# Altium PCB unextended_ISO.PcbDoc (part 1 of 2)
Units mm, origin at the board's own origin, x right, y up, seen from the top; angles counter-clockwise.
Board outline 284.7 x 94.2 mm, 2 copper layers (Component Side, Bottom Layer), stack 1.571 mm thick; 179 components, 118 nets, 505 pads, 269 vias.
Unrouted connection lines stored in the file: 6.
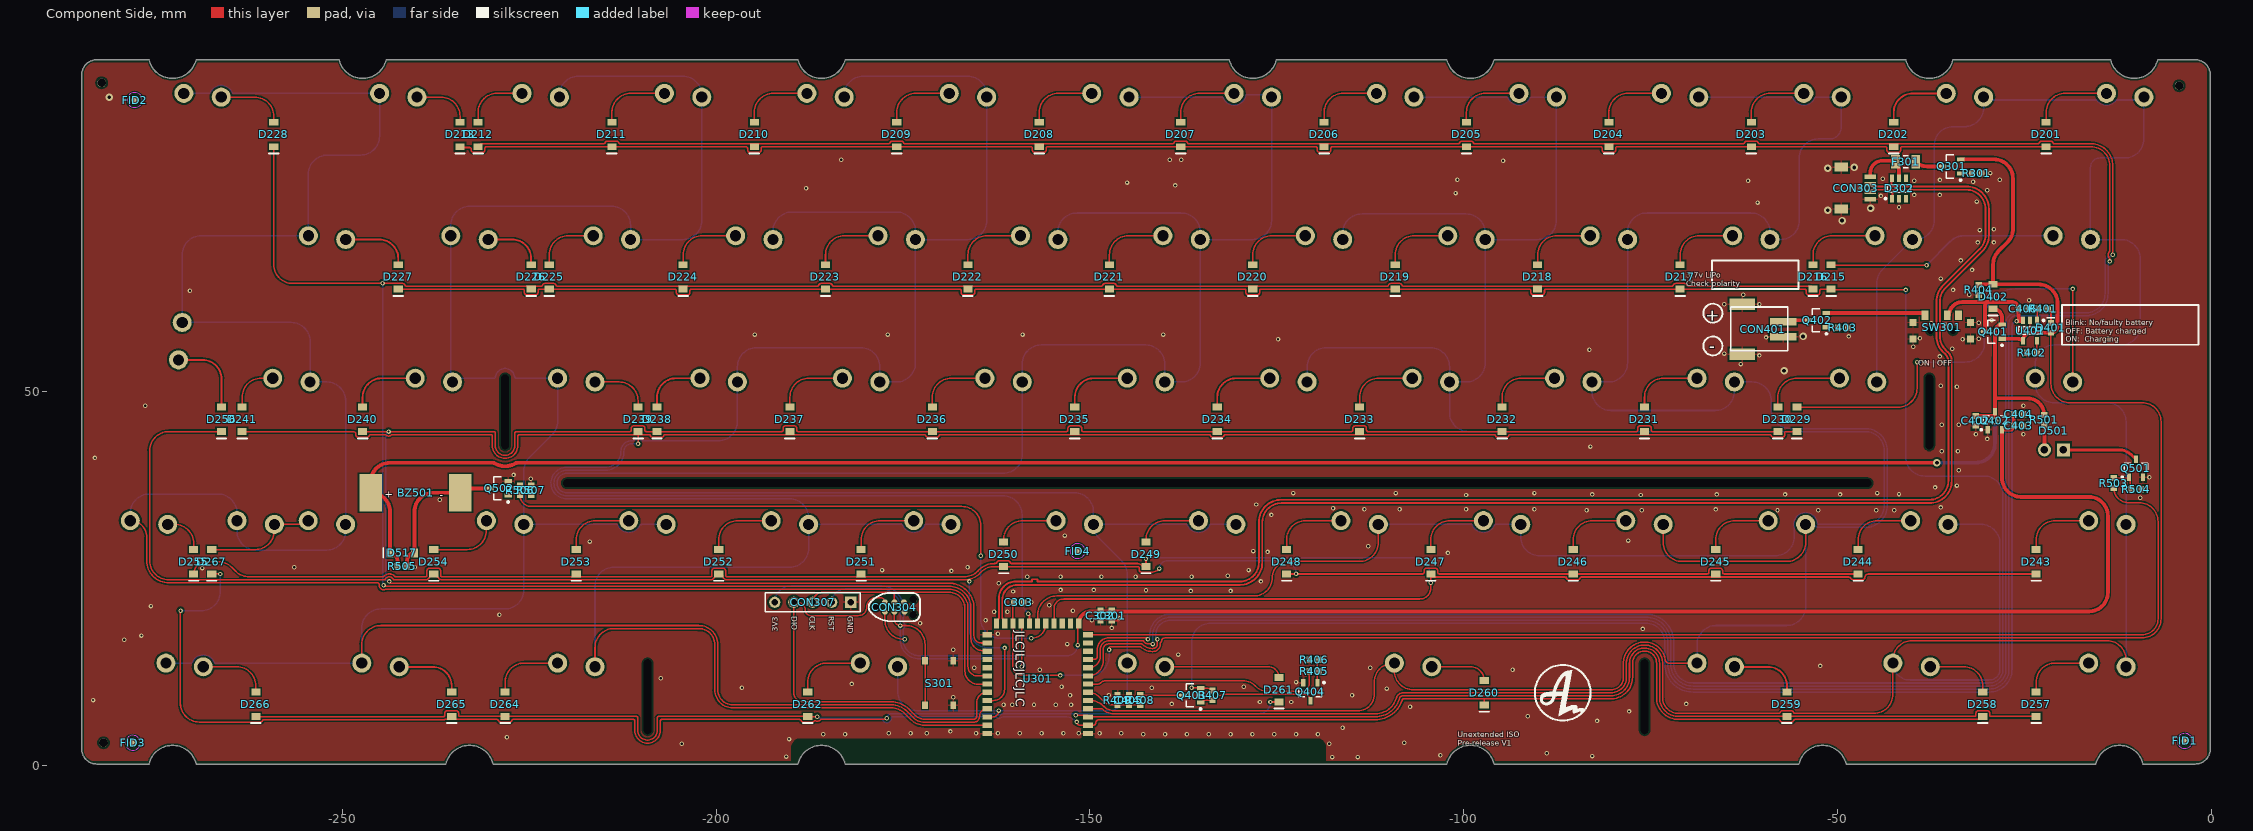
[diagram p0: Component Side view]
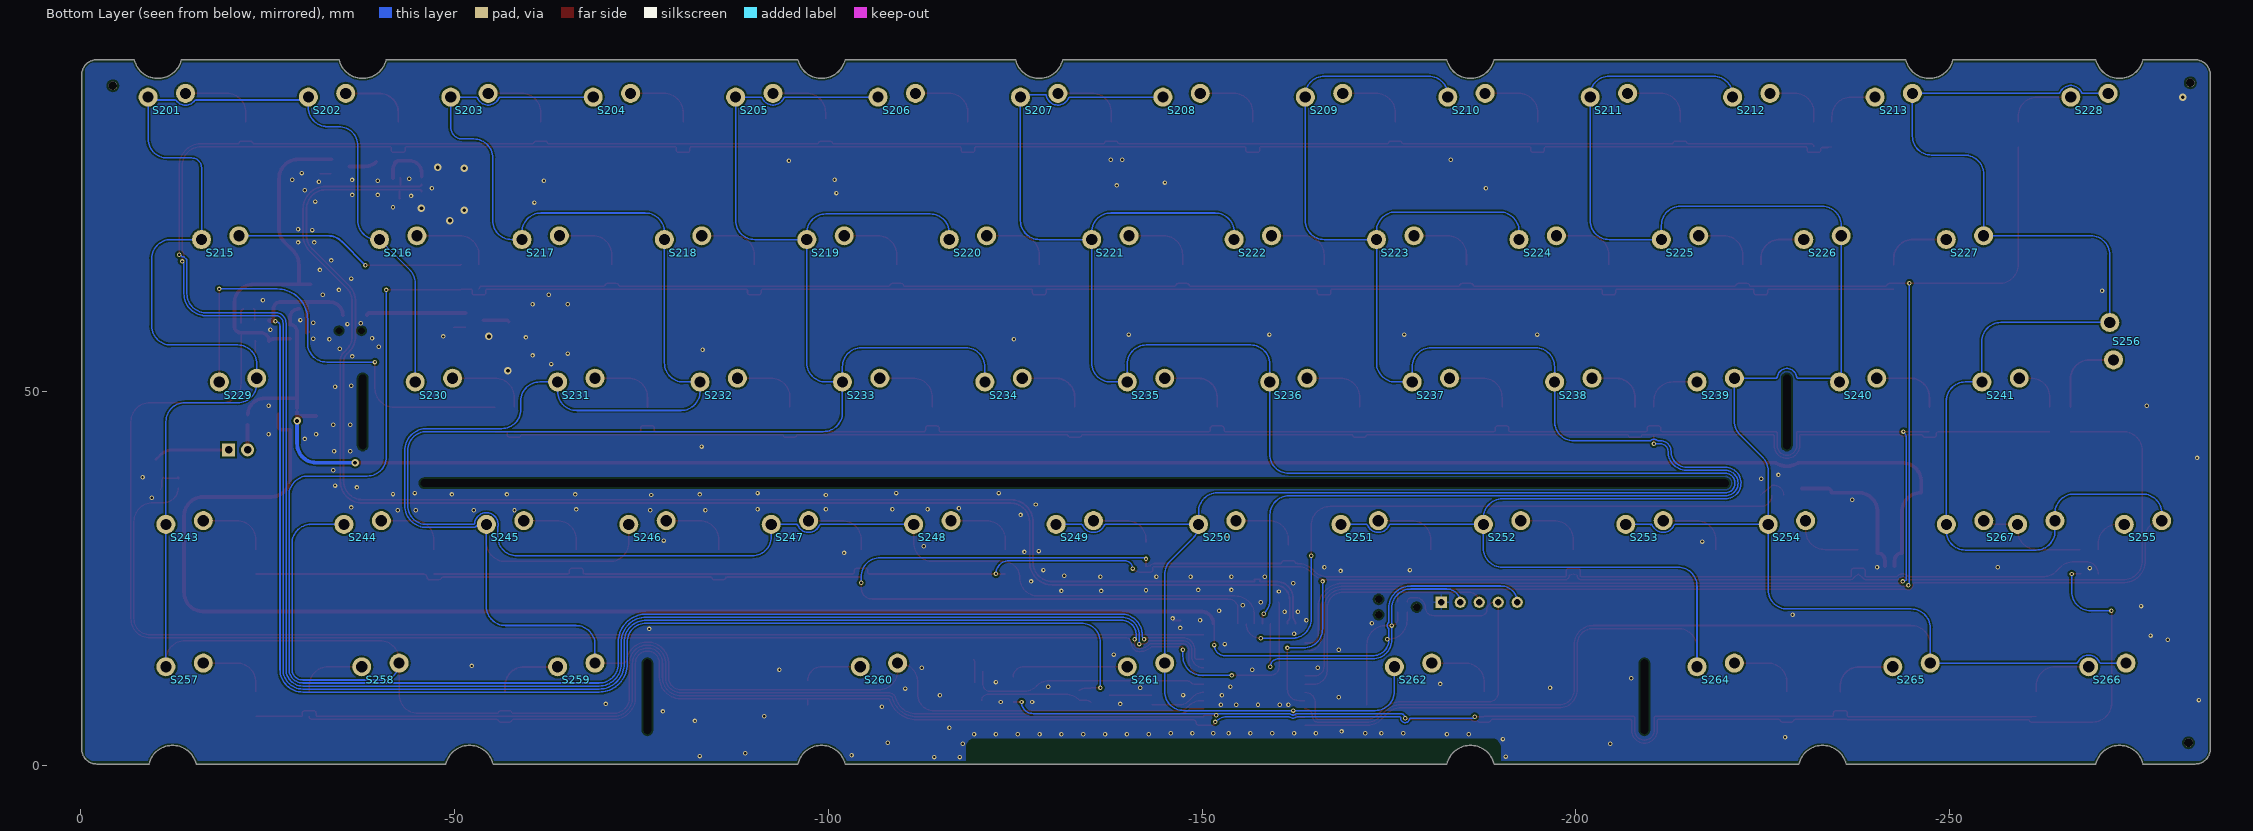
[diagram p1: Bottom Layer view, seen from below]
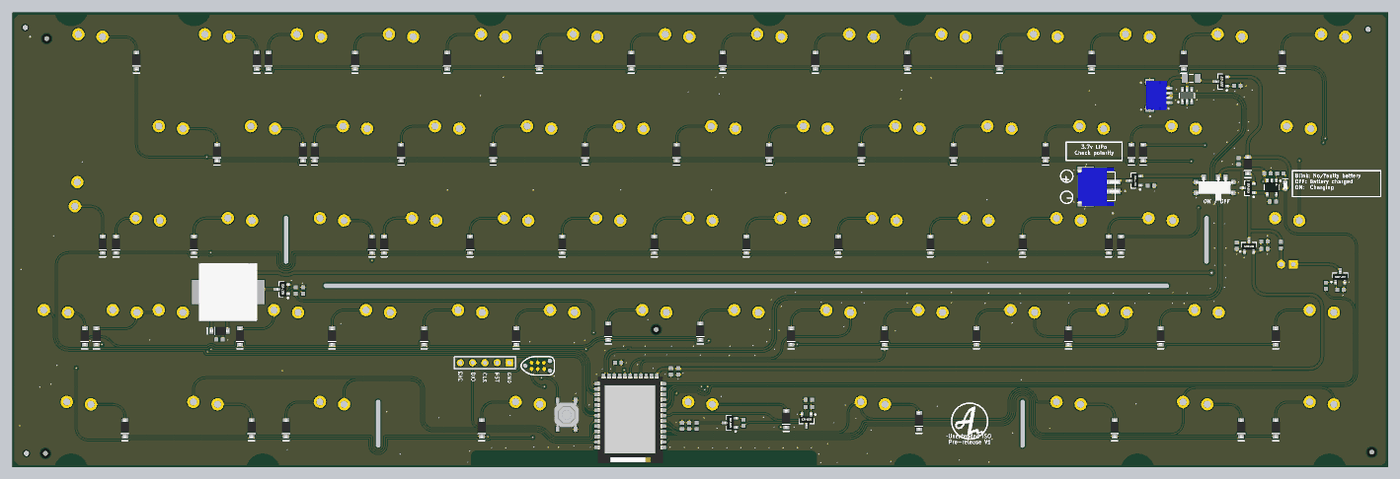
[diagram p3: 3D render of the assembled board from above, using the file's embedded part models]

## Layer stack, top to bottom
Top Solder: solder mask 0.0102, Solder Resist, Dk 3.5
Component Side: signal copper 0.0356
Dielectric 1: core 1.5, FR-4, Dk 4.2
Bottom Layer: signal copper 0.0356
Solder Side: solder mask 0.0102, Solder Resist, Dk 3.5

## Board outline
-282.85,0.215 -275.85,0.215 cw(c-272.7,-0.52) -269.55,0.215 -236.137,0.215 cw(c-232.987,-0.52) -229.838,0.215 -189.05,0.215 cw(c-185.9,-0.52) -182.75,0.215 -102.25,0.215 cw(c-99.1,-0.52) -95.95,0.215 -55.161,0.215 cw(c-52.011,-0.52) -48.861,0.215 -15.45,0.215 cw(c-12.3,-0.52) -9.15,0.215 -2.15,0.215 ccw(c-2.15,2.215) -0.15,2.215 -0.15,92.415 ccw(c-2.15,92.415) -2.15,94.415 -7.177,94.415 cw(c-10.327,95.149) -13.477,94.415 -34.575,94.415 cw(c-37.724,95.149) -40.874,94.415 -95.95,94.415 cw(c-99.1,95.149) -102.25,94.415 -125.061,94.415 cw(c-128.212,95.149) -131.361,94.415 -182.75,94.415 cw(c-185.9,95.149) -189.05,94.415 -244.125,94.415 cw(c-247.274,95.149) -250.424,94.415 -269.55,94.415 cw(c-272.7,95.149) -275.85,94.415 -282.85,94.415 ccw(c-282.85,92.415) -284.85,92.415 -284.85,39.065 -284.85,2.215 ccw(c-282.85,2.215)

## Design rules (kind name [scope] priority, off if disabled: settings)
BoardOutlineClearance [All] p1: gap=0.305 ignorepadtopadclearanceinfootprint=FALSE except(0: Arc-SplitContinuation Track-SplitContinuation SMDPad-SplitContinuation THPad-SplitContinuation Via-SplitContinuation Fill-SplitContinuation Poly-SplitContinuation Region-SplitContinuation Text-SplitContinuation)
Clearance [All] p1: gap=0.2 ignorepadtopadclearanceinfootprint=FALSE except(0: Arc-Hole Track-Hole SMDPad-Hole THPad-Hole Via-Hole Fill-Hole Poly-Hole Region-Hole Text-Hole; 0.254: THPad-THPad THPad-Via THPad-Fill THPad-Poly THPad-Region THPad-Text Via-Via Via-Fill Via-Poly Via-Region Via-Text Fill-Fill Fill-Poly Fill-Region Fill-Text Poly-Poly Poly-Region Poly-Text Region-Region Region-Text Text-Text)
ComponentClearance [InComponent('No Component') And OnLayer('Component Side')] p1: gap=0.254 collisioncheckmode=3 verticalgap=0.254 showdistances=FALSE
DiffPairsRouting DiffPairsRouting_USB [InDifferentialPairClass('All Differential Pairs')] p1: maxlimit=0.254 minlimit=0.203 mostfreqgap=0.203 toplayer_minwidth=0.152 toplayer_maxwidth=0.381 toplayer_prefwidth=0.152 bottomlayer_minwidth=0.152 bottomlayer_maxwidth=0.381 bottomlayer_prefwidth=0.152 maxuncoupledlength=12.7
DiffPairsRouting [All] p2: maxlimit=0.254 minlimit=0.254 mostfreqgap=0.254 toplayer_minwidth=0.381 toplayer_maxwidth=0.381 toplayer_prefwidth=0.381 bottomlayer_minwidth=0.381 bottomlayer_maxwidth=0.381 bottomlayer_prefwidth=0.381 maxuncoupledlength=12.7
HoleSize [All] p1: absolutevalues=TRUE maxlimit=20 minlimit=0.025 maxpercent=80.000 minpercent=20.000
MatchedLengths MatchedLengths_USB_DiffPairs_1 [All] p1: tolerance=0.127 checknetsindiffpair=TRUE checkdiffpairvsdiffpair=FALSE checkxsignals=FALSE checkothers=FALSE
MatchedLengths MatchedLengths_USB_DiffPairs [All] p2: tolerance=0.127 checknetsindiffpair=TRUE checkdiffpairvsdiffpair=FALSE checkxsignals=FALSE checkothers=FALSE
PolygonConnect PolygonConnect_1 [All vs IsVia] p1: connectstyle=Direct reliefconductorwidth=0.254 reliefentries=4 polygonreliefangle="90 Angle" airgapwidth=0.254
PolygonConnect [All] p2: connectstyle=Relief reliefconductorwidth=0.254 reliefentries=4 polygonreliefangle="90 Angle" airgapwidth=0.254
RoutingVias [All] p1: holewidth=0.711 width=1.27 viastyle="Through Hole" minholewidth=0.3 minwidth=0.6 maxholewidth=0.711 maxwidth=1.27
SolderMaskExpansion [All] p1: expansion=0.102 istentingtop=FALSE
Width [All] p1: maxlimit=1.016 minlimit=0.203 preferedwidth=0.203
27 further rules are at their usual default settings.

## Classes and differential pairs
component class Designator: 2 C201 C202 C203 C204 C205 C206 D201 D202 D203 D204 D205 D206 D207 D208 D209 D210 D211 D212 D213 D215 D216 D217 D218 D219 D220 D221 D222 D223 D224 D225 D226 D227 D228 D229 D230 D231 D232 D233 D234 D235 D236 D237 D238 D239 D240 D241 D243 D244 D245 D246 D247 D248 D249 D250 D251 D252 D253 D254 D255 D256 D257 D258 D259 D260 D261 D262 D264 D265 D266 D267 S201 S202 S203 S204 S205 S206 S207 S208 S209 S210 S211 S212 S213 S215 S216 S217 S218 S219 S220 S221 S222 S223 S224 S225 S226 S227 S228 S229 S230 S231 S232 S233 S234 S235 S236 S237 S238 S239 S240 S241 S243 S244 S245 S246 S247 S248 S249 S250 S251 S252 S253 S254 S255 S256 S257 S258 S259 S260 S261 S262 S264 S265 S266 S267
differential pair D: +D_P -D_N

## Components (designator, comment, footprint, x,y, rotation, side; value= is the part's Value field where it differs from the comment)
BZ501 "12x12mm buzzer" "buzzer 12x12" -240.2,36.5 r0 top locked
C301 "" C0603[1608] -147.066,20.066 r90 top value=4,7uF
C302 "" C0603[1608] -148.59,20.066 r90 top value=0.1uF
C303 "" C0603[1608] -159.512,21.844 r180 top value=0.1uF
C402 "" C0603[1608] -31.496,46.109 r90 top value=4,7uF
C403 "" C0603[1608] -25.781,45.466 r180 top value=1uF
C404 "" C0603[1608] -25.773,46.99 r180 top value=4,7uF
C405 "DNM" C0603[1608] -144.78,8.763 r270 top
C406 "" C0603[1608] -25.141,61.087 r180 top value=4,7uF
CON303 "Header 5" "JST SM04B-SRSS-TB" -49.5,77.25 r270 top
CON304 "TC2030-IDC" TC2030-IDC-NL -176.149,21.209 r0 top
CON307 "Header 5" HDR1X5 -181.991,21.844 r180 top
CON401 "JST SM02B SMD" "JST S2B-PH-SM4-TB" -62.76,55.015 r90 top
D201 "Diode" SOD-123 -22.098,84.415 r90 top
D202 "Diode" SOD-123 -42.487,84.415 r90 top
D203 "Diode" SOD-123 -61.537,84.415 r90 top
D204 "Diode" SOD-123 -80.587,84.415 r90 top
D205 "Diode" SOD-123 -99.631,84.415 r90 top
D206 "Diode" SOD-123 -118.681,84.415 r90 top
D207 "Diode" SOD-123 -137.858,84.415 r90 top
D208 "Diode" SOD-123 -156.781,84.415 r90 top
D209 "Diode" SOD-123 -175.831,84.415 r90 top
D210 "Diode" SOD-123 -194.887,84.415 r90 top
D211 "Diode" SOD-123 -213.937,84.415 r90 top
D212 "Diode" SOD-123 -231.838,84.415 r90 top
D213 "Diode" SOD-123 -234.251,84.415 r90 top
D215 "Diode" SOD-123 -50.869,65.365 r90 top
D216 "Diode" SOD-123 -53.282,65.365 r90 top
D217 "Diode" SOD-123 -71.062,65.365 r90 top
D218 "Diode" SOD-123 -90.112,65.365 r90 top
D219 "Diode" SOD-123 -109.168,65.365 r90 top
D220 "Diode" SOD-123 -128.218,65.365 r90 top
D221 "Diode" SOD-123 -147.389,65.365 r90 top
D222 "Diode" SOD-123 -166.318,65.365 r90 top
D223 "Diode" SOD-123 -185.368,65.365 r90 top
D224 "Diode" SOD-123 -204.412,65.365 r90 top
D225 "Diode" SOD-123 -222.319,65.365 r90 top
D226 "Diode" SOD-123 -224.732,65.365 r90 top
D227 "Diode" SOD-123 -242.512,65.365 r90 top
D228 "Diode" SOD-123 -259.167,84.415 r90 top
D229 "Diode" SOD-123 -55.447,46.315 r90 top
D230 "Diode" SOD-123 -57.987,46.315 r90 top
D231 "Diode" SOD-123 -75.825,46.315 r90 top
D232 "Diode" SOD-123 -94.875,46.315 r90 top
D233 "Diode" SOD-123 -113.925,46.315 r90 top
D234 "Diode" SOD-123 -132.975,46.315 r90 top
D235 "Diode" SOD-123 -152.025,46.315 r90 top
D236 "Diode" SOD-123 -171.075,46.315 r90 top
D237 "Diode" SOD-123 -190.125,46.315 r90 top
D238 "Diode" SOD-123 -207.899,46.315 r90 top
D239 "Diode" SOD-123 -210.439,46.315 r90 top
D240 "Diode" SOD-123 -247.275,46.315 r90 top
D241 "Diode" SOD-123 -263.398,46.315 r90 top
D243 "Diode" SOD-123 -23.437,27.265 r90 top
D244 "Diode" SOD-123 -47.25,27.265 r90 top
D245 "Diode" SOD-123 -66.3,27.265 r90 top
D246 "Diode" SOD-123 -85.35,27.265 r90 top
D247 "Diode" SOD-123 -104.4,27.265 r90 top
D248 "Diode" SOD-123 -123.698,27.265 r90 top
D249 "Diode" SOD-123 -142.5,28.265 r90 top
D250 "Diode" SOD-123 -161.55,28.265 r90 top
D251 "Diode" SOD-123 -180.6,27.265 r90 top
D252 "Diode" SOD-123 -199.649,27.265 r90 top
D253 "Diode" SOD-123 -218.7,27.265 r90 top
D254 "Diode" SOD-123 -237.768,27.265 r90 top
D255 "Diode" SOD-123 -269.875,27.265 r90 top
D256 "Diode" SOD-123 -266.154,46.315 r90 top
D257 "Diode" SOD-123 -23.437,8.215 r90 top
D258 "Diode" SOD-123 -30.575,8.215 r90 top
D259 "Diode" SOD-123 -56.774,8.215 r90 top
D260 "Diode" SOD-123 -97.255,9.74 r90 top
D261 "Diode" SOD-123 -124.714,10.16 r90 top
D262 "Diode" SOD-123 -187.743,8.215 r90 top
D264 "Diode" SOD-123 -228.224,8.215 r90 top
D265 "Diode" SOD-123 -235.363,8.215 r90 top
D266 "Diode" SOD-123 -261.562,8.215 r90 top
D267 "Diode" SOD-123 -267.462,27.265 r90 top
D302 "SRV05" SOT-23-6 -41.783,77.216 r90 top
D401 "LED0" LED0603[1608] -21.458,58.547 r90 top
D402 "Diode" SOD-123 -29.205,62.738 r90 top
D501 "B5819W" "MX-switch - CAPS - LED NO SWITCH" -21.056,47.315 r0 top
D517 "B5819W" SOD-123 -241.978,28.448 r0 top
F301 "Fuse Thermal" C1206[3216] -40.894,80.772 r180 top
FID1 "Plug" Fiducial_Nordic -3.556,3.302 r90 top
FID2 "Plug" Fiducial_Nordic -277.749,89.027 r90 top
FID3 "Plug" Fiducial_Nordic -278.003,3.048 r90 top
FID4 "Plug" Fiducial_Nordic -151.638,28.702 r90 top
Q301 "PMOS-2" SOT-23-3 -34.745,80.137 r180 top
Q401 "PMOS-2" SOT-23-3 -29.205,58.039 r180 top
Q402 "PMOS-2" SOT-23-3 -52.687,59.585 r180 top
Q403 "SI2301CDS PMOS" SOT-23-3 -136.398,9.398 r180 top
Q404 "2N7002 NMOS" SOT-23-3 -120.523,9.906 r270 top
Q501 "2N7002 NMOS" SOT-23-3 -10.093,39.772 r90 top
Q502 "2N7002 NMOS" SOT-23-3 -229.02,37.084 r180 top
R301 "Res1" R0603[1608] -31.369,79.248 r0 top value=10K
R401 "Res1" R0603[1608] -22.474,61.087 r0 top value=470
R402 "Res1" R0603[1608] -24.003,55.245 r180 top value=5k1
R403 "Res1" R0603[1608] -49.276,58.547 r0 top value=10K
R404 "Res1" R0603[1608] -31.115,63.627 r270 top value=100k
R405 "Res1" R0603[1608] -120.015,12.638 r0 top value=330R
R406 "Res1" R0603[1608] -120.015,14.162 r180 top value=100k
R407 "Res1" R0603[1608] -133.604,9.398 r270 top value=100k
R408 "Res1" R0603[1608] -143.256,8.763 r270 top value=1M
R409 "Res1" R0603[1608] -146.304,8.763 r90 top value=2M
R501 "Res1" R0603[1608] -22.352,46.243 r90 top value=470
R503 "Res1" R0603[1608] -13.071,37.796 r90 top value=470
R504 "Res1" R0603[1608] -10.033,36.957 r0 top value=10K
R505 "Res1" R0603[1608] -241.978,26.67 r0 top value=680R
R506 "Res1" R0603[1608] -226.226,36.83 r270 top value=330R
R507 "Res1" R0603[1608] -224.702,36.83 r90 top value=100k
S201 "MX" "Alps-switch - switched pol" -11.531,85.415 r180 bottom locked
S202 "MX" "Alps-switch - switched pol" -32.962,85.415 r180 bottom locked
S203 "MX" "Alps-switch - switched pol" -52.012,85.415 r180 bottom locked
S204 "MX" "Alps-switch - switched pol" -71.062,85.415 r180 bottom locked
S205 "MX" "Alps-switch - switched pol" -90.112,85.415 r180 bottom locked
S206 "MX" "Alps-switch - switched pol" -109.162,85.415 r180 bottom locked
S207 "MX" "Alps-switch - switched pol" -128.212,85.415 r180 bottom locked
S208 "MX" "Alps-switch - switched pol" -147.262,85.415 r180 bottom locked
S209 "MX" "Alps-switch - switched pol" -166.312,85.415 r180 bottom locked
S210 "MX" "Alps-switch - switched pol" -185.362,85.415 r180 bottom locked
S211 "MX" "Alps-switch - switched pol" -204.412,85.415 r180 bottom locked
S212 "MX" "Alps-switch - switched pol" -223.462,85.415 r180 bottom locked
S213 "MX" Alps-switch -242.512,85.415 r180 bottom locked
S215 "MX" "Alps-switch - switched pol" -18.675,66.365 r180 bottom locked
S216 "MX" "Alps-switch - switched pol" -42.487,66.365 r180 bottom locked
S217 "MX" "Alps-switch - switched pol" -61.537,66.365 r180 bottom locked
S218 "MX" "Alps-switch - switched pol" -80.587,66.365 r180 bottom locked
S219 "MX" "Alps-switch - switched pol" -99.637,66.365 r180 bottom locked
S220 "MX" "Alps-switch - switched pol" -118.687,66.365 r180 bottom locked
S221 "MX" "Alps-switch - switched pol" -137.737,66.365 r180 bottom locked
S222 "MX" "Alps-switch - switched pol" -156.787,66.365 r180 bottom locked
S223 "MX" "Alps-switch - switched pol" -175.837,66.365 r180 bottom locked
S224 "MX" "Alps-switch - switched pol" -194.887,66.365 r180 bottom locked
S225 "MX" "Alps-switch - switched pol" -213.937,66.365 r180 bottom locked
S226 "MX" Alps-switch -232.987,66.365 r180 bottom locked
S227 "MX" Alps-switch -252.037,66.365 r180 bottom locked
S228 "MX" "Alps-switch - switched pol" -268.692,85.415 r180 bottom locked
S229 "MX" Alps-switch -21.056,47.315 r180 bottom locked
S230 "MX" "Alps-switch - switched pol" -47.25,47.315 r180 bottom locked
S231 "MX" "Alps-switch - switched pol" -66.3,47.315 r180 bottom locked
S232 "MX" "Alps-switch - switched pol" -85.35,47.315 r180 bottom locked
S233 "MX" "Alps-switch - switched pol" -104.4,47.315 r180 bottom locked
S234 "MX" "Alps-switch - switched pol" -123.45,47.315 r180 bottom locked
S235 "MX" "Alps-switch - switched pol" -142.5,47.315 r180 bottom locked
S236 "MX" "Alps-switch - switched pol" -161.55,47.315 r180 bottom locked
S237 "MX" "Alps-switch - switched pol" -180.6,47.315 r180 bottom locked
S238 "MX" "Alps-switch - switched pol" -199.65,47.315 r180 bottom locked
S239 "MX" Alps-switch -218.7,47.315 r180 bottom locked
S240 "MX" "Alps-switch - switched pol" -237.75,47.315 r180 bottom locked
S241 "MX" "Alps-switch - switched pol" -256.8,47.315 r180 bottom locked
S243 "MX" "Alps-switch - switched pol" -13.912,28.265 r180 bottom locked
S244 "MX" "Alps-switch - switched pol" -37.725,28.265 r180 bottom locked
S245 "MX" "Alps-switch - switched pol" -56.775,28.265 r180 bottom locked
S246 "MX" "Alps-switch - switched pol" -75.825,28.265 r180 bottom locked
S247 "MX" "Alps-switch - switched pol" -94.875,28.265 r180 bottom locked
S248 "MX" "Alps-switch - switched pol" -113.925,28.265 r180 bottom locked
S249 "MX" "Alps-switch - switched pol" -132.975,28.265 r180 bottom locked
S250 "MX" "Alps-switch - switched pol" -152.025,28.265 r180 bottom locked
S251 "MX" "Alps-switch - switched pol" -171.075,28.265 r180 bottom locked
S252 "MX" "Alps-switch - switched pol" -190.124,28.265 r180 bottom locked
S253 "MX" "Alps-switch - switched pol" -209.175,28.265 r180 bottom locked
S254 "MX" "Alps-switch - switched pol" -228.225,28.265 r180 bottom locked
S255 "MX" Alps-switch -275.85,28.265 r180 bottom locked
S256 "MX" Alps-switch -275.91,56.772 r90 bottom locked
S257 "MX" "Alps-switch - switched pol" -13.912,9.215 r180 bottom locked
S258 "MX" Alps-switch -40.1,9.215 r180 bottom locked
S259 "MX" Alps-switch -66.299,9.215 r180 bottom locked
S260 "MX" Alps-switch -106.78,9.215 r180 bottom locked
S261 "MX" "Alps-switch - switched pol" -142.499,9.215 r180 bottom locked
S262 "MX" "Alps-switch - switched pol" -178.218,9.215 r180 bottom locked
S264 "MX" Alps-switch -218.699,9.215 r180 bottom locked
S265 "MX" Alps-switch -244.888,9.215 r180 bottom locked
S266 "MX" Alps-switch -271.087,9.215 r180 bottom locked
S267 "MX" "ALPS-switch - AEKISO r_shift" -261.58,28.265 r180 bottom locked
S301 "SW-PB" "XKB SWITCH" -170.18,11.049 r270 top
SW301 "Korean Hroparts Elec K3-1296S-E2" "Korean Hroparts Elec K3-1296S-E2" -36.068,58.166 r180 top
U301 "Holyiot-18010" "Holyiot-18010 - outer pads" -157,10 r180 top locked
U401 "TP4054 SOT23-5" SOT-23-5 -24.252,58.174 r270 top
U402 "XC6206P332MR - SOT23" SOT-23-3 -28.956,46.109 r90 top

## Footprints (in the part's own frame and the unit in brackets; to place one, negate y for a bottom-side part, rotate by r counter-clockwise, add the part's x,y. Pads: shape width x height; smd on the part's side, far side on the other; paste and mask are expansions set on the pad)
Alps-switch [mm]
  round 2.54 hole 1.499 mask+0.102: 1(-2.5,4) 2(2.5,4.5)
  round 1 on Mech14: ""(0,0)
"ALPS-switch - AEKISO r_shift" [mm]
  round 2.54 hole 1.499 mask+0.102: 1(-12.025,4) 1(2.5,4.5) 2(-7.025,4.5) 2(-2.5,4)
  round 1 on Mech14: ""(-9.525,0) ""(0,0)
"Alps-switch - switched pol" [mm]
  round 2.54 hole 1.499 mask+0.102: 1(2.5,4.5) 2(-2.5,4)
  round 1 on Mech14: ""(0,0)
"buzzer 12x12" [mm] "Buzzer"
  rect 3x5 smd: 1(-6,0) 2(6,0)
  body extent -6,-6 6,6, height 3.05
C0603[1608] [mm] "Chip Resistor, 2-Leads, Body 1,57x0,80mm, IPC Medium Density"
  rect 0.8x0.85 smd: 1(-0.65,0) 2(0.65,0)
  body extent -0.83,-0.43 0.82,0.43, height 0.5
C1206[3216] [mm]
  rect 1.2x1.8 smd: 1(-1.35,0) 2(1.35,0)
  silkscreen extent -0.35,-0.8 0.35,0.8, body extent -1.6,-0.9 1.6,0.9, height 1.2
Fiducial_Nordic [mm]
  round 1 smd paste+0 mask+0.5: 0(0,0)
  Component Side keep-out circle w0.01: c0,0 r1
HDR1X5 [mm] "Connector; Header; 5 Position"
  rect 1.5x1.5 hole 0.9 mask+0.102: 1(0,0)
  round 1.5 hole 0.9 mask+0.102: 2(2.54,0) 3(5.08,0) 4(7.62,0) 5(10.16,0)
  silkscreen extent -1.27,-1.27 11.43,1.27
"Holyiot-18010 - outer pads" [mm] "Holyiot long range Nordic nRF52840 chipset BLE module Ceramic Antenna Bluetooth low Energy for Bluetooth mesh"
  rect 1.3x0.7 smd: 1(-6.75,5.7) 2(-6.75,4.6) 3(-6.75,3.5) 4(-6.75,2.4) 5(-6.75,1.3) 6(-6.75,0.2) 7(-6.75,-0.9) 8(-6.75,-2) 9(-6.75,-3.1) 10(-6.75,-4.2) 11(-6.75,-5.3) 12(-6.75,-6.4) 13(-6.75,-7.5) 25(6.75,-7.5) 26(6.75,-6.4) 27(6.75,-5.3) 28(6.75,-4.2) 29(6.75,-3.1) 30(6.75,-2) 31(6.75,-0.9) 32(6.75,0.2) 33(6.75,1.3) 34(6.75,2.4) 35(6.75,3.5) 36(6.75,4.6) 37(6.75,5.7)
  rect 0.7x1.3 smd: 14(-5.5,-9) 15(-4.4,-9) 16(-3.3,-9) 17(-2.2,-9) 18(-1.1,-9) 19(0,-9) 20(1.1,-9) 21(2.2,-9) 22(3.3,-9) 23(4.4,-9) 24(5.5,-9)
  body extent -6.75,-9 6.75,9, height 1.92
"JST S2B-PH-SM4-TB" [mm]
  rect 1x3.5 smd: 1(4.35,-5.5) 2(2.35,-5.5)
  rect 1.5x3.4 smd: 3(0,0) 3(6.7,0)
  body extent -0.65,-6.95 7.25,1.65, height 5.5
"JST SM04B-SRSS-TB" [mm]
  rect 0.6x1.55 smd: 1(-1.5,3.875) 2(-0.5,3.875) 3(0.5,3.875) 4(1.5,3.875)
  rect 1.2x1.8 smd: 5(-2.8,0) 5(2.8,0)
  body extent -3.01,-0.76 2.99,4.19, height 3.25
"Korean Hroparts Elec K3-1296S-E2" [mm]
  rect 0.9x1.25 smd: 1(2.25,-2.075) 2(-0.75,-2.075) 3(-2.25,-2.075)
  rect 0.9x0.9 smd: M(-3.85,-1.1) M(-3.85,1.1) M(3.85,-1.1) M(3.85,1.1)
  round 0 hole 0.9 unplated: ""(-1.5,0) ""(1.5,0)
  body extent -3.85,-2.2 3.85,2.7, height 1.45
LED0603[1608] [mm] "Chip Resistor, 2-Leads, Body 1,57x0,80mm, IPC Medium Density"
  rect 0.8x0.85 smd: 1(-0.65,0) 2(0.65,0)
  silkscreen extent 1.37,-0.51 1.37,0.53, body extent -0.77,-0.4 0.83,0.4, height 0.8
"MX-switch - CAPS - LED NO SWITCH" [mm] "MX Spec"
  round 1.75 hole 1 mask+0.102: 1(-1.27,-5.08)
  rect 1.75x1.75 hole 1 mask+0.102: 2(1.27,-5.08)
  round 1 on Mech13: ""(0,0)
R0603[1608] [mm] "Chip Resistor, 2-Leads, Body 1,57x0,80mm, IPC Medium Density"
  rect 0.8x0.85 smd: 1(-0.65,0) 2(0.65,0)
  body extent -0.83,-0.43 0.82,0.43, height 0.5
SOD-123 [mm]
  rect 0.91x1.22 smd: 1(1.635,0) 2(-1.635,0)
  silkscreen extent -2.54,-0.64 -2.54,0.63, body extent -1.87,-0.85 1.88,0.85, height 1.2
SOT-23-3 [mm] "3.3v regulator, used in Windsond S2 proto 1"
  rect 1x0.55 smd: 1(-1.2,0.95) 2(-1.2,-0.95) 3(1.2,0)
  silkscreen extent -1.33,-1.55 0.7,1.95, body extent -1.45,-1.5 1.1,1.5, height 1
SOT-23-5 [mm]
  rect 1x0.55 smd: 1(-1.375,0.95) 2(-1.375,0) 3(-1.375,-0.95) 4(1.375,-0.95) 5(1.375,0.95)
  silkscreen extent -1.5,-1.55 0.46,1.93, body extent -1.63,-1.5 1.58,1.5, height 0.92
SOT-23-6 [mm]
  rect 1x0.55 smd: 1(-1.375,0.95) 2(-1.375,0) 3(-1.375,-0.95) 4(1.375,-0.95) 5(1.375,0) 6(1.375,0.95)
  silkscreen extent -1.5,-1.55 0.46,1.92, body extent -1.37,-1.44 1.47,1.49, height 1.05
TC2030-IDC-NL [mm] "Tag-Connect 6-Pin with No Legs (PN# TC2030-IDC-NL)"
  round 0.9 hole 0.995 unplated: 0(-2.54,0) 0(2.54,-1.016) 0(2.54,1.016)
  round 0.79 smd paste-0.39: 1(-1.27,-0.635) 2(-1.27,0.635) 3(0,-0.635) 4(0,0.635) 5(1.35,-0.635) 6(1.27,0.635)